# Altium PCB PCB_Top_Rev4.PcbDoc (continued)
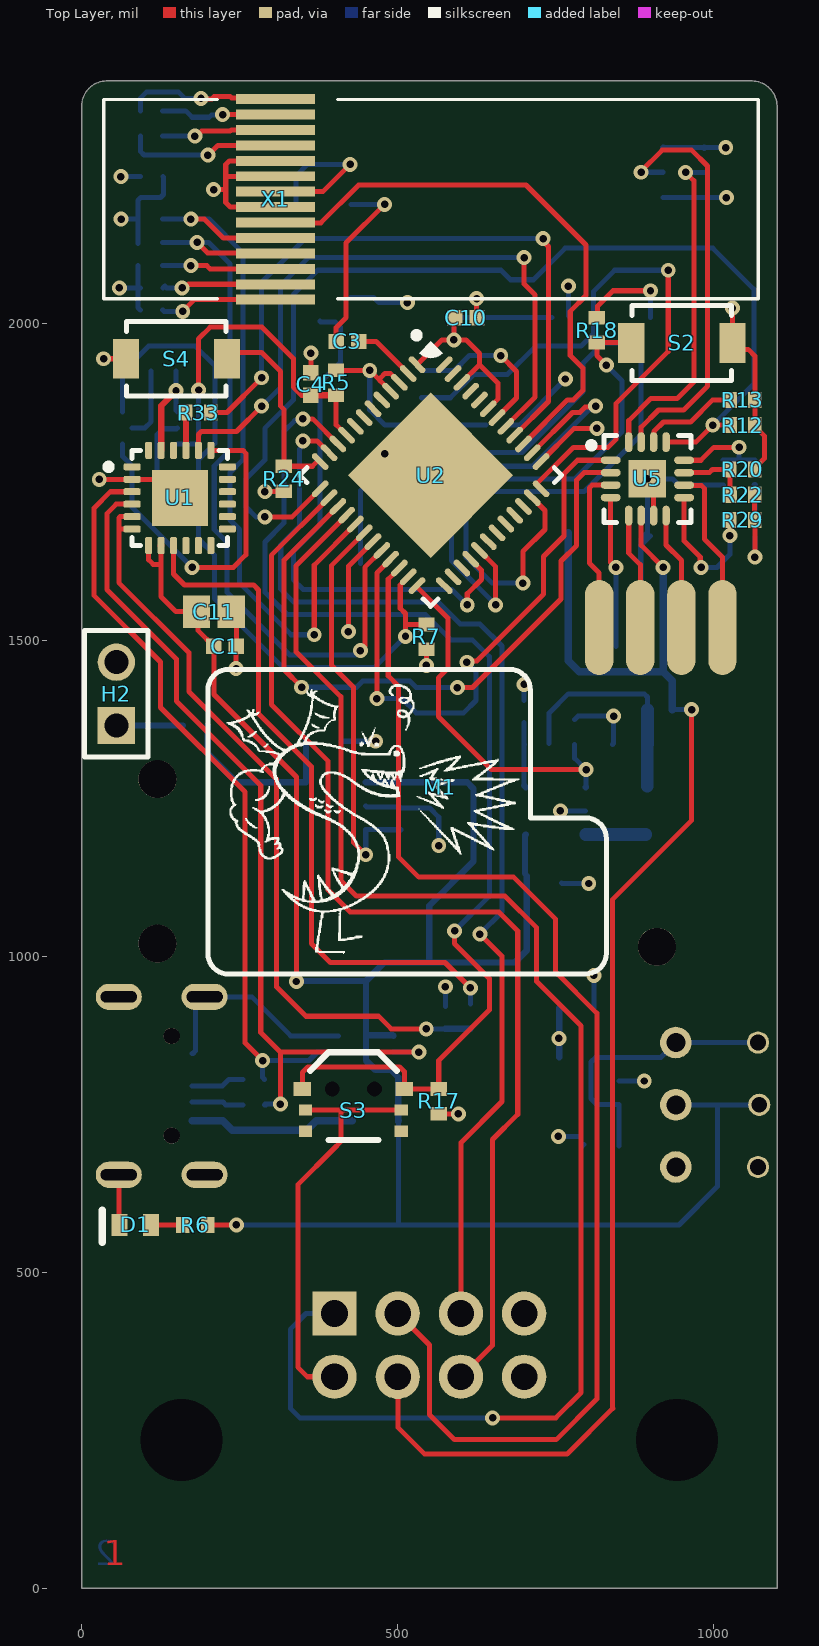
[diagram p0: Top Layer view]
## Footprints (in the part's own frame and the unit in brackets; to place one, negate y for a bottom-side part, rotate by r counter-clockwise, add the part's x,y. Pads: shape width x height; smd on the part's side, far side on the other; paste and mask are expansions set on the pad) (continued)
  rect 1.2x1.35 smd: 1(-0.95,0) 2(0.95,0)
  body extent -1.07,-0.67 1.08,0.68, height 0.66
QFN48 [mm] "QFN, 48-Leads, Body 7x7mm, Pitch 0.5mm, IPC Medium Density"
  oval 0.85x0.25 smd: 1(-3.525,2.75) 2(-3.525,2.25) 3(-3.525,1.75) 4(-3.525,1.25) 5(-3.525,0.75) 6(-3.525,0.25) 7(-3.525,-0.25) 8(-3.525,-0.75) 9(-3.525,-1.25) 10(-3.525,-1.75) 11(-3.525,-2.25) 12(-3.525,-2.75) 25(3.525,-2.75) 26(3.525,-2.25) 27(3.525,-1.75) 28(3.525,-1.25) 29(3.525,-0.75) 30(3.525,-0.25) 31(3.525,0.25) 32(3.525,0.75) 33(3.525,1.25) 34(3.525,1.75) 35(3.525,2.25) 36(3.525,2.75)
  oval 0.25x0.85 smd: 13(-2.75,-3.525) 14(-2.25,-3.525) 15(-1.75,-3.525) 16(-1.25,-3.525) 17(-0.75,-3.525) 18(-0.25,-3.525) 19(0.25,-3.525) 20(0.75,-3.525) 21(1.25,-3.525) 22(1.75,-3.525) 23(2.25,-3.525) 24(2.75,-3.525) 37(2.75,3.525) 38(2.25,3.525) 39(1.75,3.525) 40(1.25,3.525) 41(0.75,3.525) 42(0.25,3.525) 43(-0.25,3.525) 44(-0.75,3.525) 45(-1.25,3.525) 46(-1.75,3.525) 47(-2.25,3.525) 48(-2.75,3.525)
  rect 4.7x4.7 smd paste-0.5: 49(0,0)
  silkscreen extent -4.5,-3.72 3.72,3.81, body extent -3.52,-3.51 3.5,3.51, height 0.78
RESC1005X40L [mm] "Chip Resistor, 2-Leads, Body 1.0x0.5mm, IPC Medium Density (0402)"
  rect 0.55x0.65 smd: 1(-0.5,0) 2(0.5,0)
  body extent -0.57,-0.27 0.58,0.28, height 0.41
SK-3245D-02-L4 [mm] "Toggle Switches Through Hole"
  round 0.889 hole 0.635: 1(-2.5,-1.65) 2(0,-1.7) 3(2.5,-1.65)
  round 1.27 hole 0.762: 1(-2.5,1.65) 2(0,1.65) 3(2.5,1.65)
  silkscreen extent -4.5,-1.7 4.5,1.7, body extent -4.8,-3.75 4.8,1.8, height 3.56
SOT65P210X110-6N [mm] "SC70, 6-Leads, Body 2.4x2.2mm (max), Pitch 0.65mm, IPC Medium Density"
  rrect50% 0.9x0.4 smd mask+0.076: 1(-1.1,0.675) 2(-1.1,0.025) 3(-1.1,-0.625) 4(1.1,-0.625) 5(1.1,0.025) 6(1.1,0.675)
  silkscreen extent -1.23,-1.07 0.25,1.42, body extent -1.1,-0.97 1.1,1.01, height 0.99
SOT95P280X144-5N [mm] "SOT23, 5-Leads, Body 3.1x3.0mm (max), Pitch 0.95mm, IPC Medium Density (RFMD SOT23-5)"
  rect 1.1x0.6 smd: 1(-1.2,0.95) 2(-1.2,0) 3(-1.2,-0.95) 4(1.2,-0.95) 5(1.2,0.95)
  silkscreen extent -0.8,-1.6 0.8,1.6, body extent -1.4,-1.45 1.4,1.45, height 1.45
SSCQ110100 [mm] "SWITCH DETECT, DUAL, SMD,R/A"
  rect 0.7x0.55 smd: 1(-2.05,0) 1(2.05,0)
  rect 0.54x0.45 smd: 2(-1.925,-0.85) 2(1.925,-0.85) 3(-1.925,-1.7) 3(1.925,-1.7)
  round 0 hole 0.6 unplated: ""(-0.85,0) ""(0.85,0)
  silkscreen extent -1.74,-2.05 1.74,1.48, body extent -2.27,-2.12 2.28,4.03, height 1.53
TL1015AF160QG [mm] "SWITCH TACTILE SPST-NO 0.05A 12V"
  rect 1.05x1.59 smd: 1(-2.032,0) 2(2.032,0)
  silkscreen extent -2,-1.5 2,1.5, body extent -2.3,-1.5 2.3,1.5, height 2
U254-051N-4BH806 [mm] "MICRO USB"
  rect 0.4x1.35 smd: 1(-1.4,0)
  rect 0.4x1.4 smd: 2(-0.65,0) 3(0,0) 4(0.65,0) 5(1.3,0)
  oval 1.05x1.85 hole 0.45 slot 1.45 at 90 deg: 6(-3.575,-2.95) 6(-3.575,0.5) 6(3.575,-2.95) 6(3.575,0.5)
  round 0.65 hole 0.65 unplated: ""(-2,-0.825) ""(2,-0.825)
  silkscreen extent -1.78,-4.1 1.77,-4.1, body extent -4.4,-5.39 4.4,0.21, height 2.75

## Part data
ANT1: library part PRO-OB-440, Manufacturer="Proant AB", Part_Footprint=SMT, Part_Number=PRO-OB-440, Vendor=Digi-Key
C1 C2 C4 C10 C22: library part CAP_0402, "CAP 0.1uF 16V 0402", Manufacturer=Yageo, Part_Footprint=0402, Part_Number=C60474, Vendor=LCSC
C3: library part CAP_0402, "CAP 1.5pF 0402", Manufacturer=Dafron, Part_Footprint=0402, Part_Number=C147344, Vendor=LCSC
C5 C6 C12: library part CAP_0402, "CAP 0.1uF 16V 0402", Manufacturer=Samsung, Part_Footprint=0402, Part_Number=C29266, Vendor=LCSC
C7 C8 C11 C16 C17 C18 C19: library part CAP_0805, "CAP 10uF 16V 0805", Manufacturer=Murata, Part_Number=C162317, Vendor=LCSC
  C7 C8 C11 C16 C18 C19: Part_Footprint=0805
  C17: Part_Foorprint=0805
C9 C15: library part CAP_ELEC_SMT, "CAP 150uF, 10V SMT", Manufacturer=Suncon, Part_Footprint=SMD,6.3x6mm, Part_Number=C242018, Vendor=LCSC
C13: library part CAP_0402, "CAP 4.7uF 16V 0402", Manufacturer=Samsung, Part_Footprint=0402, Part_Number=C318563, Vendor=LCSC
C14: library part CAP_0402, "CAP 2.2uF 16V 0402", Manufacturer=Samsung, Part_Footprint=0402, Part_Number=C170151, Vendor=LCSC
C20: library part CAP_0402, "CAP 22nF 16V 0402", Manufacturer=Samsung, Part_Footprint=0402, Part_Number=C318579, Vendor=LCSC
D1: library part LED_0603, "LED Green 0603", Manufacturer=Orient, Part_Footprint=0603, Part_Number=C205443, Vendor=LCSC
F1: library part PTC_FUSE, "6V 1A 100ms 0805 PTC Resettable Fuse", Manufacturer=TLC, Part_Footprint=0805, Part_Number=C261942, Vendor=LCSC
H1: library part CON4X2_M, "CONN HEADER 4X2 POS .100\" RA", Manufacturer=MINTRON, Part_Footprint=4X2, Part_Number=C358706, Vendor=LCSC
H2: library part CON2-EMPTY_PAD, "EMPTY SOLDER 2POS"
J1: library part 0473092851, "9 (8 + 1) microSD SMT, Right Angle", Manufacturer=Molex, Part_Number=0473092851, Vendor=Digi-Key
J2: library part U254-051N-4BH806, "CONN RECPT MICRO USB", Manufacturer=XKB, Part_Footprint=SMT, Part_Number=C319170, Vendor=LCSC
L1: library part Inductor, "Inductor 2.2uH 1.45A 2.0 x 2.0mm", Manufacturer="Taiyo Yuden", Part_Footprint="2.0 x 2.0mm", Part_Number=C90329, Vendor=LCSC
M1: library part Motor_Mini_Linear, "MTR,LINEAR,SMT", ComponentLink1Description=Link, ComponentLink1URL=https://www.aliexpress.com/item/4000084515397.html?spm=a2g0s.9042311.0.0.27424c4d28cMfv, Part_Number=shorturl.at/cQ269, Vendor=Aliexpress
Q1: "TRANS 2NPN 44V 0.1A SC-70-6", Manufacturer=Changjiang, Part_Footprint=SC-70, Part_Number=C148112, Vendor=LCSC
R1 R2 R3 R4 R5 R7 R13 R15 R17 R18 R19 R23 R24 R28 R32 R34: library part RES_0402, "RES 10K 0402", Manufacturer=Uniroyal, Part_Footprint=0402, Part_Number=C25744, Vendor=LCSC
R6: library part RES_0603, "RES 22.1K 0402", Manufacturer=Uniroyal, Part_Footprint=0402, Part_Number=C43473, Vendor=LCSC
R8 R9: library part RES_0402, "RES 2K 0402", Manufacturer=Uniroyal, Part_Footprint=0402, Part_Number=C4109, Vendor=LCSC
R10: library part RES_0402, "RES 390K 0402", Manufacturer=Uniroyal, Part_Footprint=0402, Part_Number=C25782, Vendor=LCSC
R11 R21: library part RES_0402, "RES 0R 0402", Manufacturer=Uniroyal, Part_Footprint=0402, Part_Number=C17168, Vendor=LCSC
R12: library part RES_0402, "RES 47K 0402", Manufacturer=Uniroyal, Part_Footprint=0402, Part_Number=C25792, Vendor=LCSC
R14: library part RES_0402, "RES 100K 0402", Manufacturer=Uniroyal, Part_Number=C25741, Vendor=LCSC
R16: library part RES_0402, "RES 49.9K 0402", Manufacturer=Uniroyal, Part_Number=C25897, Vendor=LCSC
R20: library part RES_0402, "RES 90.9K 0402", Manufacturer=Uniroyal, Part_Footprint=0402, Part_Number=C26989, Vendor=LCSC
R22: library part RES_0402, "RES 4.99K 0402", Manufacturer=Uniroyal, Part_Footprint=0402, Part_Number=C25903, Vendor=LCSC
R27: library part RES_0402, "RES 1K 0402", Manufacturer=Uniroyal, Part_Footprint=0402, Part_Number=C11702, Vendor=LCSC
R29 R30: library part RES_0402, "RES 0.2R 0402", Manufacturer=Uniroyal, Part_Footprint=0402, Part_Number=C270629, Vendor=LCSC
R33: library part RES_0402, "RES 470R 0402", Manufacturer=Uniroyal, Part_Footprint=0402, Part_Number=C25117, Vendor=LCSC
R35 R36: library part RES_0402, "RES 22R 0402", Manufacturer=Uniroyal, Part_Footprint=0402, Part_Number=C25092, Vendor=LCSC
S1: library part SK-3245D-02-L4, "Toggle Switch Thu Hole", Manufacturer=XKB, Part_Footprint="Thru Hole", Part_Number=C381099, Vendor=LCSC
S2 S4: library part TL1015AF160QG, "Switch SMD,3x4x2.5mm", Manufacturer=Xunpu, Part_Footprint=SMD, Part_Number=C455281, Vendor=LCSC
S3: library part SSCQ110100, "SWITCH DETECT, DUAL, SMD,R/A", Manufacturer=Alps, Part_Footprint=SMD, Part_Number=C231760, Vendor=LCSC
U1: "IC BRIDGE USB TO UART 24QFN", Manufacturer="Silicon Labs", Part_Footprint=24QFN, Part_Number=CP2104-F03-GMR, Vendor=LCSC
U2: "WIFI/Bluetooth, QFN-48 7x7", Manufacturer=Espressif, Part_Footprint=QFN48, Part_Number=ESP32-PICO-D4, Vendor=LCSC
U3 U6: "IC LDO 3.3V 0.5A SOT23-5", Manufacturer=Holtek, Part_Footprint=SOT-23, Part_Number=C164106, Vendor=LCSC
U4: "IC DC SWITCHING REG 1A SOT23-5", Manufacturer=Richtek, Part_Footprint=SOT-23, Part_Number=RT8096CHGJ5, Vendor=LCSC
U5: "IC STEPPER MOTOR DRIVER 16-VFQFPN(3x3)", Manufacturer="ST Micro", Part_Footprint=16-VFQFPM(3x3), Part_Number=STSPIN220, Vendor=Digi-Key
U7: "TVS 5V SOT-363", Manufacturer=Yenji, Part_Footprint=SOT-363, Part_Number=PESD5V0L5UY, Vendor=LCSC
X1: "96x16 OLED_GLASS", Part_Number=ER-OLED0.69-1W, Vendor=Buy-Display

## Free pads (board coordinates)
  round 120 hole 130 unplated: ""(158,235) ""(942,235)

## Via types
v1: diameter 23.62, hole 11.81, Top Layer to Bottom Layer, tented both sides, 93 vias

## Nets (pads, with @x,y where several pads share a name; then routed paths per layer and width w, separated by ;. In a path a pad name is that pad's centre, name@x,y a point inside that pad or via, vN(x,y) a via of type N, cw(c..) or ccw(c..) an arc to the next point about the centre after c; other vN are vias at no path point)
+3.3V: C2.1 C7.1 C9.1 C10.1 C12.2 H1.2 J1.4 R1.1 R2.2 R5.1 R7.1 R8.1 R9.1 R12.2 R13.2 R20.2 S2.2 S3.2 S4.2 U2.1 U2.3 U2.4 U2.19 U2.37 U2.43 U2.46 U3.5 X1.5 X1.6 X1.8 | length 2868.6
  Top Layer w8: v1(34.88,1945) S4.2 ; v1(208.73,2212.61) 228,2212.61 ; X1.8 306.51,2185.03 235.21,2185.03 228,2192.24 228,2212.61 ; X1.6 305.93,2232.97 228,2232.97 ; X1.5 233.87,2258.11 228,2252.24 228,2232.97 ; S3.2@354.21,756.54 410,756.54 ; H1.2@402,334.8 357.1,334.8 342,349.9 342,638.61 398.39,695 410,706.61 410,756.54 ; R5.1 v1(455.83,1926.69) 472.29,1910.24 ; v1(422.07,1513.47) 422.07,1616.94 U2.19 ; U2.4 472.29,1910.24 ; U2.3 502.55,1907.71 488.27,1921.98 479.99,1921.98 472.29,1914.29 472.29,1910.24 ; S3.2@505.79,756.54 410,756.54 ; U2.1 569.95,1975 v1(588.98,1975) ; v1(545.37,1460) R7.1 ; C10.1 588.98,2008.97 v1(588.98,1975) ; U2.46 629.39,1935.61 629.39,1953.61 608,1975 v1(588.98,1975) ; 630,1935 658.39,1906.61 658.39,1881.09 U2.43 ; U2.37 779.33,1835 v1(815,1835) ; S2.2@1029.37,1960 1054.37,1960 1065,1949.37 R13.2 R12.2 1065,1838.03 1079.88,1823.15 1079.88,1787.17 1064.69,1771.97 R20.2 ; S2.2 v1(1029.37,2025) ; 228,2212.61 228,2232.97
  Bottom Layer w8: v1(62.46,2166) R9.1 ; R8.1@89.06,2127.24 89.06,2195.31 93.75,2200 124.77,2200 129.46,2204.69 129.46,2232.24 C12.2 ; v1(455.83,1926.69) 455.83,1864.17 480,1840 J1.4 C2.1 ; v1(588.98,1975) 588.98,1998.97 600,2010 C9.1 C9.1@744,2010 ; C7.1@755,917.8 C7.1 ; C9.1@770,2012.58 v1(770,2060) ; R1.1 R2.2@984.97,2279.03 ; R2.2 v1(1018.94,2279.06)
  Bottom Layer w10: C7.1 755.51,917.28 U3.5
  other v1: 754.88,870
Button_1: R24.1 S4.1 U2.12 | length 311.6
  Top Layer w8: S4.1@229.88,1955 284.88,1955 314.88,1925 314.88,1870 319.88,1865 R24.1 ; R24.1@320,1775 364.88,1775 374.25,1784.37 375.45,1784.37 U2.12
Button_2: R18.1 S2.1 U2.29 | length 842.3
  Top Layer w8: U2.29 655,1616.17 v1(655,1555.59) ; v1(830,1935) 815,1950 R18.1 868.74,1970.63 S2.1 869.37,1959.37 S2.1@852.7,1942.7
  Bottom Layer w8: v1(655,1555.59) 655,1555.87 585,1625.87 585,1703.59 636.41,1755 780,1755 855,1830 855,1910 v1(830,1935)
D+: R36.1 U1.3 U7.1 | length 1212.3
  Top Layer w8: U1.3 45.44,1734.69 19.88,1709.13 19.88,1570.36 124.88,1465.36 124.88,1393.5 258.39,1260 258.39,862.99 v1(286.37,835)
  Bottom Layer w8: R36.1 286.37,808 v1(286.37,835) 359.88,835 373.31,848.43 U7.1
D-: R35.1 U1.4 U7.6 | length 1379.4
  Top Layer w8: U1.4 54.88,1715 39.88,1700 39.88,1580 149.88,1470 149.88,1403.5 283.39,1270 283.39,879.41 314.37,848.43 ; v1(314.37,766) 314.37,848.43 ; v1(533.43,848.43) 314.37,848.43
  Bottom Layer w8: R35.1 290.37,766 291.37,765 292.37,766 v1(314.37,766) ; U7.6 v1(533.43,848.43)
DIR_1: U2.21 U5.1 | length 922.6
  Top Layer w8: v1(467.07,1407.47) 467.07,1606.26 U2.21 ; v1(609.37,1465) 611.39,1467.02 625.02,1467.02 730.71,1572.71 730.71,1632.32 763.07,1664.69 763.07,1763.07 784.53,1784.53 U5.1
  Bottom Layer w8: v1(467.07,1407.47) 506.9,1407.47 529.37,1385 604.37,1385 623.88,1404.51 623.88,1450.49 v1(609.37,1465)
DIR_2: H1.3 U2.22 | length 2034.8
  Top Layer w8: H1.3@500.39,434.9 550.2,385.1 550.2,274.8 589.72,235.28 750.67,235.28 815.2,299.8 ; U2.22 485.07,1596.42 485.07,1443.47 501.07,1427.47 501.07,1157.31 533.39,1125 683.39,1125 749.88,1058.5 749.88,975 815,909.88 815,299.8
DTR: Q1.1 R23.2 U1.23 | length 169.5
  Top Layer w10: U1.23 125.77,1870.91 v1(149.37,1894.51)
  Bottom Layer w8: R23.2 149.37,1863.43 Q1.1
EN: C4.1 Q1.3 R5.2 U2.9 | length 563.8
  Top Layer w8: v1(185,1895.59) 185,1976.61 203.39,1995 285.34,1995 335,1945.34 335,1900 347.68,1887.32 C4.1 ; R5.2 402.68,1840.65 U2.9
  Top Layer w10: C4.1 R5.2
  Bottom Layer w8: Q1.3 180.56,1810 185,1814.44 v1(185,1895.59)
EN_1: R12.1 U2.13 U5.13 | length 1661.6
  Top Layer w8: v1(289.88,1695) 333.1,1695 U2.13 ; U5.13 971.46,1813.07 v1(998.39,1840) R12.1
  Bottom Layer w8: v1(289.88,1695) 275.59,1695 260,1710.59 260,1755.12 289.88,1785 289.88,1834.88 334.88,1879.88 334.88,2046.5 373.39,2085 663.39,2085 678.39,2070 715,2070 765,2120 998.39,2120 1063.39,2055 1063.39,1905 v1(998.39,1840)
EN_2: H1.6 U2.14 | length 1764.8
  Top Layer w8: U2.14 300.07,1634.13 300.07,1398.31 390,1308.39 390,1104.88 424.88,1070 659.88,1070 689.88,1040 689.88,750 649.88,710 649.88,384.59 ; H1.6@600.2,334.7 650.08,384.59
GND: ANT1.1 C1.2 C2.2 C4.2 C7.2 C8.2 C9.2 C10.2 C11.2 C12.1 C13.1 C14.1 C15.2 C16.2 C17.2 C18.2 C19.2 C20.2 C22.2 D1.1 H1.7 H2.2 J1.6 J1.G1 J1.G2 J1.G3 J2.5 J2.6 R3.2 R4.2 R10.1 R15.1 R16.1 R17.2 R18.2 R22.1 R24.2 R28.1 R29.1 R30.1 R32.1 U1.2 U1.25 U2.49 U3.2 U4.2 U5.7 U5.17 U6.2 U7.2 X1.7 | length 3273.3
  Top Layer w8: v1(28,1754.37) U1.2 125.77,1754.37 U1.25 ; J2.6@58.86,654.25 58.86,576.14 D1.1 ; C11.2 244.8,1537.13 C1.2 244.37,1489.57 v1(244.37,1455) ; v1(289.88,1735) 319.25,1735 R24.2 ; X1.7 381.58,2209.29 v1(424.88,2252.6) ; C4.2 v1(362.68,1953.86) ; R17.2 v1(596.1,750.63) ; v1(625,2040) 625,2010.43 C10.2 ; R18.2 816.14,2011.14 816.14,2028.14 840.6,2052.6 v1(899.88,2052.6) ; U5.17@892.5,1757.5 U5.17@895,1760 ; v1(895,1755) 904.84,1745.16 U5.7 ; R22.1@1064.69,1730 R29.1 1064.84,1689.84 1064.84,1631.34 v1(1065,1631.18)
  Bottom Layer w8: v1(59.93,2057.24) C13.1@89.06,2057.24 ; v1(62.19,2232.97) C12.1 ; R10.1 C13.1@89.06,2057.24 ; C14.1 89.06,2026.18 C13.1@89.06,2057.24 ; C13.1 C13.1@89.06,2057.24 ; J2.5 176.13,846.18 180,850.06 180,921.06 194.69,935.75 269.13,935.75 330.87,874.02 U7.2 ; ANT1.1 339.37,2234.49 357.48,2252.6 v1(424.88,2252.6) ; C19.2 v1(465,1340) ; J1.G3 461.83,2042.24 J1.G2 v1(515.3,2033.76) ; J1.G1 441.48,1736.48 458.39,1753.39 479.88,1753.39 ; U6.2 451.1,1235.98 503.39,1235.98 R32.1 550.51,1234.37 C18.2@564.88,1220 ; v1(479.88,1795) 479.88,1753.39 ; J1.6 479.88,1753.39 ; v1(565,1175) C18.2 ; C22.2 v1(575.3,951.69) ; C2.2 692.39,1840 v1(765.39,1913) ; R16.1 v1(700,1430) ; v1(754.17,715) C8.2@789.37,715 ; v1(757.24,1230) U4.2 ; C17.2 760.12,1115 v1(802.24,1115) ; R15.1 785.37,1379.74 v1(841.52,1379.74) 841.52,1336.63 C16.2 ; C8.2@792.01,700 C8.2@794.41,702.4 ; C7.2 v1(810.32,969.69) ; U3.2 v1(890,802.6) ; R30.1@884.37,1500 884.37,1649.37 C15.2@884.69,1649.69 ; R30.1 C15.2@884.69,1649.69 ; v1(899.88,2052.6) 899.88,2010.12 C9.2 ; C15.2 C15.2@884.69,1649.69 ; R4.2 920.16,2200.16 1019.84,2200.16 v1(1020,2200) ; R28.1 944.25,1745.63 934.88,1755 v1(895,1755) 895,1670.16 884.69,1659.84 C15.2@884.69,1649.69 ; v1(1065,1631.18) C20.2
IO0: Q1.6 R7.2 U2.23 | length 1132.2
  Top Layer w8: v1(512.37,1506) 512.37,1524 ; U2.23 516.58,1599.59 504.07,1587.08 504.07,1550.3 512.37,1542 512.37,1524 ; R7.2 513.06,1524.69 512.37,1524
  Bottom Layer w8: Q1.6 65,1924.01 105.99,1965 180,1965 210.81,1934.19 210.81,1811.4 184.88,1785.47 184.88,1660 210,1634.88 210,1565.59 319.12,1456.47 462.84,1456.47 v1(512.37,1506)
LASER_EN: R32.2 U2.18 U6.3 | length 648.5
  Top Layer w8: U2.18 395.07,1617.78 395.07,1460.52 429.88,1425.71 429.88,1180.12 v1(449.49,1160.51)
  Bottom Layer w8: v1(449.49,1160.51) U6.3 449.59,1200.1 479.9,1200.1 480,1200 R32.2@505,1200
Limit_1: R17.1 S3.1 U2.10 | length 1812.3
  Top Layer w8: S3.1@349.29,790 349.29,816.29 358,825 503,825 510.71,817.29 510.71,790 R17.1 565,835 645,915 645,964.88 590,1019.88 v1(590,1040) ; v1(350,1850) 365.49,1850 U2.10
  Bottom Layer w8: v1(350,1850) 347.01,1847.01 337.01,1847.01 320,1830 320,1685.12 290,1655.12 290,1575.59 325,1540.59 543.78,1540.59 583.9,1500.47 618.07,1500.47 644.88,1473.66 644.88,1094.88 v1(590,1040)
Limit_2: H1.5 U2.11 | length 1796.7
  Top Layer w8: v1(350,1815) 372.65,1815 U2.11 ; H1.5 600,705.12 665,770.12 665,1000 v1(630,1035)
  Bottom Layer w8: v1(350,1815) 347.01,1812.01 347.01,1804.51 345,1802.5 345,1680.59 315,1650.59 315,1580.59 335,1560.59 563.78,1560.59 598.78,1525.59 630,1525.59 664.88,1490.71 664.88,1069.88 v1(630,1035)
MODE1: R2.1 R3.1 U5.16 | length 528.7
  Top Layer w8: U5.16 865.47,1847.09 900.39,1882 942,1882 968.39,1908.39 968.39,2226.61 v1(955.32,2239.69)
  Bottom Layer w8: v1(955.32,2239.69) R3.1
MODE2: R1.2 R4.1 U5.15 | length 669.7
  Top Layer w8: v1(885,2240) 885,2241.61 918.39,2275 965,2275 990,2250 990,1901.61 952.39,1864 912.39,1864 885.16,1836.77 U5.15
  Bottom Layer w8: v1(885,2240) 919.69,2240 R4.1
MOT_EN: R15.2 U2.24 U4.1 | length 577.9
  Top Layer w8: U2.24 529.95,1585.62 529.95,1584.42 579.37,1535 579.37,1455 564.37,1440 564.37,1379.02 648.39,1295 v1(798,1295)
  Bottom Layer w8: R15.2 780,1313 v1(798,1295) U4.1@798,1268.16
  Bottom Layer w10: U4.1 U4.1@798,1268.16
NetANT1_2: ANT1.2 C3.2 | length 302.1
  Top Layer w8: C3.2 402.68,1994.29 418.39,2010 418.39,2128.39 v1(479.33,2189.33)
  Bottom Layer w8: ANT1.2 v1(479.33,2189.33)
NetC3_1: C3.1 U2.2 | length 99.5
  Top Layer w8: C3.1 465.88,1972.32 U2.2
NetC5_1: C5.1 X1.2 | length 184.3
  Top Layer w8: v1(223,2331.34) X1.2
  Bottom Layer w8: C5.1 164.64,2337.24 174.88,2327 201.88,2327 205.77,2330.89 222.55,2330.89 v1(223,2331.34)
NetC5_2: C5.2 X1.1 | length 245.7
  Top Layer w8: v1@188.75,2355.75 189.14,2356.14 206.03,2356.14 209.88,2360 234.88,2360 237.22,2357.66 304.74,2357.66 X1.1
  Bottom Layer w8: C5.2 93,2357.24 103,2367.24 153,2367.24 163.25,2357 v1(188.88,2357)
NetC6_1: C6.1 X1.4 | length 247.6
  Top Layer w8: v1(199.88,2267.24) 199.88,2266.48 215.92,2282.52 X1.4
  Bottom Layer w8: C6.1 93,2273.1 98.86,2267.24 v1(199.88,2267.24)
NetC6_2: C6.2 X1.3 | length 182.2
  Top Layer w8: v1(179.06,2297.24) 181.88,2297.24 189.63,2305 234.88,2305 236.81,2306.93 X1.3
  Bottom Layer w8: C6.2 v1(179.06,2297.24)
NetC8_1: C8.1 S1.1 U3.1 U3.3 | length 448.2
  Bottom Layer w8: C8.1@850,700 U3.3 815.4,765.2 805.76,774.84 805.76,832.6 813.16,840 U3.1 916.61,840 940.04,863.43 S1.1@1069.96,863.43
NetC13_2: C13.2 X1.13 | length 182.6
  Top Layer w8: v1(159,2057) 163.23,2057 169.06,2062.84 X1.13
  Bottom Layer w8: C13.2@128.87,2057.24 131.62,2060 134.62,2057 v1(159,2057)
NetC14_2: C14.2 X1.14 | length 189
  Top Layer w8: v1(160,2020) 178.43,2038.43 X1.14 X1.14@305.08,2040
  Bottom Layer w8: C14.2 130.68,2020 v1(160,2020)
NetC16_1: C16.1 L1.2 R11.2 R14.2 | length 359.9
  Bottom Layer w8: R14.2@739.37,1336.24 739.37,1384.37 770,1415 890,1415 895,1410 R11.2@895,1390
  Bottom Layer w20: L1.2 C16.1 895.11,1335.11 R11.2 R11.2@895,1390
NetC19_1: C19.1 R21.1 U6.5 | length 283.9
  Bottom Layer w10: R21.1 199.37,1320.63 245,1275 U6.5 C19.1
NetC20_1: C20.1 R27.1 | length 47.6
  Bottom Layer w8: C20.1 R27.1
NetC22_1: C22.1 R34.1 U1.5 U1.6 | length 1222.5
  Top Layer w8: U1.6 59,1675.63 ; U1.5 61.07,1695.32 59,1693.24 59,1675.63 ; v1(545.16,885.16) 489.72,885.16 469.88,905 354.88,905 308.39,951.5 308.39,1280 169.88,1418.5 169.88,1480 59,1590.88 59,1675.63
  Bottom Layer w8: v1@545,885 v1(545.16,885.16) C22.1
  Bottom Layer w10: C22.1 R34.1
NetD1_2: D1.2 R6.1 | length 50
  Top Layer w8: D1.2 R6.1
NetF1_2: F1.2 J2.1 | length 265.2
  Bottom Layer w12: J2.1 223.12,739.88 238,725 356.14,725 371.02,739.88 F1.2@427.88,739.88
NetH2_1: H2.1 R21.2 | length 105
  Bottom Layer w10: H2.1 R21.2
NetJ2_2: J2.2 R35.2 | length 82.5
  Bottom Layer w8: J2.2 223.59,769.41 228,765 R35.2@255.63,765
NetJ2_3: J2.3 R36.2 | length 84.8
  Bottom Layer w8: J2.3 223,795 233,805 R36.2@255.63,805
NetL1_1: L1.1 U4.3 | length 98.8
  Bottom Layer w10: L1.1@892.4,1192.6 L1.1
  Bottom Layer w20: U4.3 L1.1@892.4,1192.6
NetM1_1: M1.1 U5.10 | length 276
  Top Layer w8: U5.10@943.07,1745.16 U5.10 953.42,1744.81 980.31,1744.81 985,1740.12 985,1659.88 1013.75,1631.13 M1.1
NetM1_2: M1.2 U5.8 | length 187
  Top Layer w8: U5.8 924.53,1650.35 948.75,1626.13 M1.2
NetM1_3: M1.3 U5.5 | length 184.5
  Top Layer w8: U5.5 865.47,1637.53 883.75,1619.25 M1.3
NetM1_4: M1.4 U5.3 | length 252.8
  Top Layer w8: M1.4 818.75,1606.25 803.07,1621.93 803.07,1740.47 807.76,1745.16 U5.3@826.93,1745.16
NetQ1_2: Q1.2 R19.1 | length 106.6
  Bottom Layer w8: R19.1 119.37,1824.96 128.68,1834.27 150.29,1834.27 Q1.2
NetQ1_5: Q1.5 R23.1 | length 114.1
  Bottom Layer w8: Q1.5@80,1835.59 100,1835.59 110,1845.59 R23.1
NetR10_2: R10.2 X1.12 | length 182.9
  Top Layer w8: v1@174.81,2090.43 v1(173,2092.24) 198,2092.24 203,2087.24 X1.12
  Bottom Layer w8: R10.2 v1(173,2092.24)
NetR13_1: R13.1 U5.14 | length 158.1
  Top Layer w8: U5.14 905.57,1813.8 905.57,1830.19 920.39,1845 963.39,1845 998.39,1880 R13.1
NetR14_1: R14.1 R16.2 U4.5 | length 102.6
  Bottom Layer w8: U4.5@700,1270.16 700,1334.68 R14.1@700.32,1335 ; R14.1@700,1336.24 R16.2@700,1370
  Bottom Layer w10: U4.5@700,1270.16 U4.5
NetR20_1: R20.1 R22.2 U5.11 | length 114.4
  Top Layer w8: U5.11 992.84,1764.84 998,1770 R20.1 R22.2@1025.32,1730
NetR27_2: R27.2 R28.2 U5.12 | length 165.7
  Top Layer w8: U5.12 979.53,1784.53 1000,1805 v1(1040,1805)
  Bottom Layer w8: R28.2 1015.16,1784.84 1040,1784.84 ; v1(1040,1805) 1040,1784.84 ; R27.2 1064.84,1784.84 1040,1784.84
NetR29_2: R29.2 U5.9 | length 230
  Top Layer w8: U5.9 953.07,1656.81 978.6,1631.28 978.6,1616.4 v1(980,1615) ; v1(1025.32,1665.32) R29.2
  Bottom Layer w8: v1(980,1615) 1005,1615 1025.32,1635.32 v1(1025.32,1665.32)
NetR30_2: R30.2 U5.4 | length 243
  Top Layer w8: U5.4 836.93,1634.48 836.93,1623.07 v1(845,1615) v1@845,1619.23
  Bottom Layer w8: R30.2@845,1490 v1(845,1615)
NetR33_2: R33.2 U1.21 | length 59.9
  Top Layer w10: R33.2 165,1859.93 165.07,1859.86 165.07,1800.21 U1.21
NetR34_2: R34.2 U1.9 | length 1090.4
  Top Layer w8: U1.9 145.45,1604.43 162.64,1587.24 272.13,1587.24 280,1579.37 280,1383.39 363.39,1300 363.39,1020 393.39,990 575,990 v1(615.15,949.85)
  Bottom Layer w8: v1@615,950 v1(615.15,949.85) 615.3,949.7 R34.2
OLED_RESET: U2.39 X1.9 | length 945.1
  Top Layer w8: X1.9@294.88,2160 378.39,2160 438.39,2220 703,2220 798,2125 798,2045 773,2020 773,1950 793,1930 793,1895 778,1880 768.65,1880 U2.39
RTS: Q1.4 R19.2 U1.19 | length 551.6
  Top Layer w8: v1(174.88,1615) 240,1615 259.88,1634.88 259.88,1795.45 255.2,1800.14 U1.19
  Bottom Layer w8: Q1.4 65,1790.59 80,1775.59 R19.2 80,1709.88 v1(174.88,1615)
RXD: R33.1 U2.40 | length 1064.7
  Top Layer w8: R33.1 229.88,1860 v1(284.88,1915) ; U2.40 738.39,1877.57 738.39,2122.5 730,2130.89 v1(730,2135)
  Bottom Layer w8: v1(284.88,1915) 284.88,2066.5 353.39,2135 v1(730,2135)
SCL: R9.2 U2.17 X1.10 | length 1186.3
  Top Layer w8: v1(172.82,2166) 194.24,2166 224.18,2136.06 X1.10 ; v1(368.07,1508.47) 368.07,1618.62 U2.17
  Bottom Layer w8: R9.2 v1(172.82,2166) 201.88,2166 255,2112.88 255,1785.12 234.88,1765 234.88,1690 250,1674.88 250,1590.13 331.66,1508.47 v1(368.07,1508.47)
SD_CARD_DET: J1.G4 U2.28 | length 847.2
  Top Layer w8: v1(610,1555.59) 610,1573.33 632.68,1596.01 632.68,1610.65 U2.28
  Bottom Layer w8: J1.G4 378.35,2003.43 401.46,2003.43 409.88,1995 409.88,1940 377.41,1907.53 377.41,1682.41 335,1640 335,1595.59 350.59,1580 585.59,1580 v1(610,1555.59)
SD_CS: J1.2 U2.42 | length 256.2
  Top Layer w8: U2.42 688,1882.87 688,1925 v1(663,1950)
  Bottom Layer w8: J1.2 590,1926.61 613.39,1950 v1@663.39,1950
SDA: R8.2 U2.20 X1.11 | length 1217.4
  Top Layer w8: v1(182.82,2129) 199.57,2112.24 306.06,2112.24 X1.11 ; v1(441.07,1483.47) 448.07,1490.47 448.07,1615.1 U2.20
  Bottom Layer w8: R8.2 v1(182.82,2129) 201,2129 235,2095 235,1800.59 209.88,1775.47 209.88,1675 230,1654.88 230,1575.59 329.12,1476.47 434.07,1476.47 v1(441.07,1483.47)
SPI_CLK: J1.5 U2.35 | length 1237.1
  Top Layer w8: v1(698,1590) 698,1640 733,1675 733,1704.89 712.84,1725.05 U2.35
  Bottom Layer w8: J1.5 696.69,1796.69 793.39,1893.39 793.39,1938.39 825,1970 860,1970 885,1945 885,1825 795,1735 644.88,1735 608.39,1698.5 608.39,1631.04 649.43,1590 v1(698,1590) v1@698.32,1590
SPI_MISO: J1.7 U2.38 | length 475.1
  Top Layer w8: U2.38 776.49,1860 788,1860 796.66,1868.66 811.66,1868.66 v1(813,1870)
  Bottom Layer w8: J1.7@534.88,1710 564.88,1710 629.88,1775 713,1775 808,1870 v1(813,1870)
SPI_MOSI: J1.3 U2.36 | length 979
  Top Layer w8: U2.36@720.12,1747.12 778,1805 833,1805 845,1817 845,1873.86 928,1956.86 v1(928,2085) ; U2.36@720.38,1746.86 720.38,1745.66 U2.36
  Bottom Layer w8: J1.3 583.31,1883.31 620,1920 673.39,1920 718.39,1965 790,1965 810,1985 810,2051.61 843.39,2085 v1(928,2085)
STCK_1: U2.15 U5.2 | length 1066.3
  Top Layer w8: v1(348.07,1425.47) 320.07,1453.47 320.07,1626.29 U2.15 ; v1(594.37,1425) 618.39,1425 758.39,1565 758.39,1625 783.07,1649.69 783.07,1753.07 794.84,1764.84 U5.2
  Bottom Layer w8: v1(348.07,1425.47) 434.84,1425.47 444.37,1435 519.37,1435 529.37,1425 v1(594.37,1425)
STCK_2: H1.1 U2.16 | length 2433.4
  Top Layer w8: U2.16 339.07,1617.45 339.07,1481.52 410,1410.59 410,1120 435,1095 669.88,1095 719.88,1045 719.88,960 790,889.88 790,309.8 ; v1(650.2,269.8) 750.2,269.8 790.2,309.8
  Bottom Layer w8: H1.1@400.2,434.7 355.1,434.7 330.2,409.8 330.2,284.8 345.2,269.8 v1(650.2,269.8)
TXD: U1.20 U2.41 | length 1044
  Top Layer w8: U1.20 184.82,1825.31 189.51,1830 244.88,1830 v1(284.88,1870) ; U2.41 717.39,1884.41 717.39,2046 699.88,2063.5 v1(699.88,2105)
  Bottom Layer w8: v1(284.88,1870) 314.88,1900 314.88,2061.5 358.39,2105 v1(699.88,2105)
VMOT: C15.1 H1.4 R11.1 U5.6 | length 2342.6
  Top Layer w8: H1.4 500.2,254.8 542.72,212.28 767.67,212.28 840.2,284.8 ; 840,284.8 840,1090 965,1215 v1(965,1390) ; U5.6 885.16,1649.84 v1(920,1615)
  Bottom Layer w8: R11.1 964.89,1389.89 v1(965,1390)
  Bottom Layer w12: C15.1@770,1670 770,1467.03 787.03,1450 920,1450 ; v1(920,1615) 920,1450 ; R11.1 934.48,1435.52 920,1450
VUSB: C1.1 C11.1 C17.1 C18.1 F1.1 R6.2 S1.2 U1.7 U1.8 U4.4 U6.1 U7.5 | length 3446.1
  Top Layer w8: U1.7 106.08,1626.92 113.23,1619.77 125.38,1619.77 ; U1.8@125.38,1649.16 125.38,1619.77 ; R6.2 v1(245,575) ; v1@340,960 340,1283.39 209.37,1414.01 C1.1 184.37,1515 184.37,1542.44 C11.1 149.37,1545 125.38,1568.99 125.38,1619.77
  Top Layer w10: U1.8@125.38,1649.16 U1.8
  Bottom Layer w8: v1(245,575) 501.11,575 ; F1.1 501.11,738.31 501.11,575 ; S1.2@940.04,765 1005.98,765 ; S1.2@1071.93,765 1005.98,765 ; 501.11,575 945,575 1005.98,635.98 1005.98,765
  Bottom Layer w10: v1@339.88,960.86 449.88,960.86 ; U6.1 C18.1 610,1275 620,1265 620,1150 550,1080 550,990 ; U7.5 492.32,875 449.88,875 ; F1.1@501.11,738.31 501.11,808.77 489.88,820 464.88,820 449.88,835 449.88,875 ; C17.1@701.25,1131 701.25,1191.09 U4.4 ; C17.1@704,1127 C17.1 704,1009.12 684.88,990 550,990 ; 449.88,875 449.88,960.86 ; 449.88,960.86 479.02,990 550,990
  other v1: 339.88,960
pads on no net: ANT1.3 ANT1.4 H1.8 J1.1 J1.8 J2. J2.4 M1. S1.3 S3. S3.3 U1.1 U1.10 U1.11 U1.12 U1.13 U1.14 U1.15 U1.16 U1.17 U1.18 U1.22 U1.24 U2.5 U2.6 U2.7 U2.8 U2.25 U2.26 U2.27 U2.30 U2.31 U2.32 U2.33 U2.34 U2.44 U2.45 U2.47 U2.48 U3.4 U6.4 U7.3 U7.4

## Polygon pours and split planes (outlines as drawn)
+3.3V on Layer 1 - Power (split plane): 1063.9,2364.08 1067.66,2362.94 1071.11,2361.09 1074.14,2358.61 1076.63,2355.58 1078.48,2352.12 1079.62,2348.37 1079.93,2345.22 1079.9,2345 1079.9,20.1 20.1,20.1 20.1,2345 20.08,2345.23 20.38,2348.37 21.52,2352.12 23.37,2355.58 25.86,2358.61 28.89,2361.09 32.34,2362.94 36.1,2364.08 39.24,2364.39 39.46,2364.37 1060.54,2364.37 1060.76,2364.39
GND on Layer 2 - GND (split plane): 1063.9,2364.08 1067.66,2362.94 1071.11,2361.09 1074.14,2358.61 1076.63,2355.58 1078.48,2352.12 1079.62,2348.37 1079.93,2345.22 1079.9,2345 1079.9,20.1 20.1,20.1 20.1,2345 20.08,2345.23 20.38,2348.37 21.52,2352.12 23.37,2355.58 25.86,2358.61 28.89,2361.09 32.34,2362.94 36.1,2364.08 39.24,2364.39 39.46,2364.37 1060.54,2364.37 1060.76,2364.39

## Other copper
Top Layer:
  text "1" at 35,37 h40
Bottom Layer:
  text "2" at 56,37 h40

## Silkscreen, mask and mechanical layers (free items; w line width, h text height)
Top Overlay:
  drawing of 2274 lines, arcs and shapes, not listed
Bottom Overlay:
  drawing of 398 lines, arcs and shapes, not listed
  text "Mode2" at 888,2328 h35 r90
  text "Mode1" at 1053,2328 h35 r90
  text "H" at 942,2302 h35
  text "L" at 947,2162 h35
  text "Rev4" at 1064,2049 h30 r90
Mechanical 1:
  the board outline again, w10

## Text inside footprints (layer, text, board x,y; h text height)
S1: Bottom Overlay "ON" at 940,990 h30 r180; Bottom Overlay "OFF" at 1045,535 h30